# KiCad board m-blanc.kicad_pcb (continued)
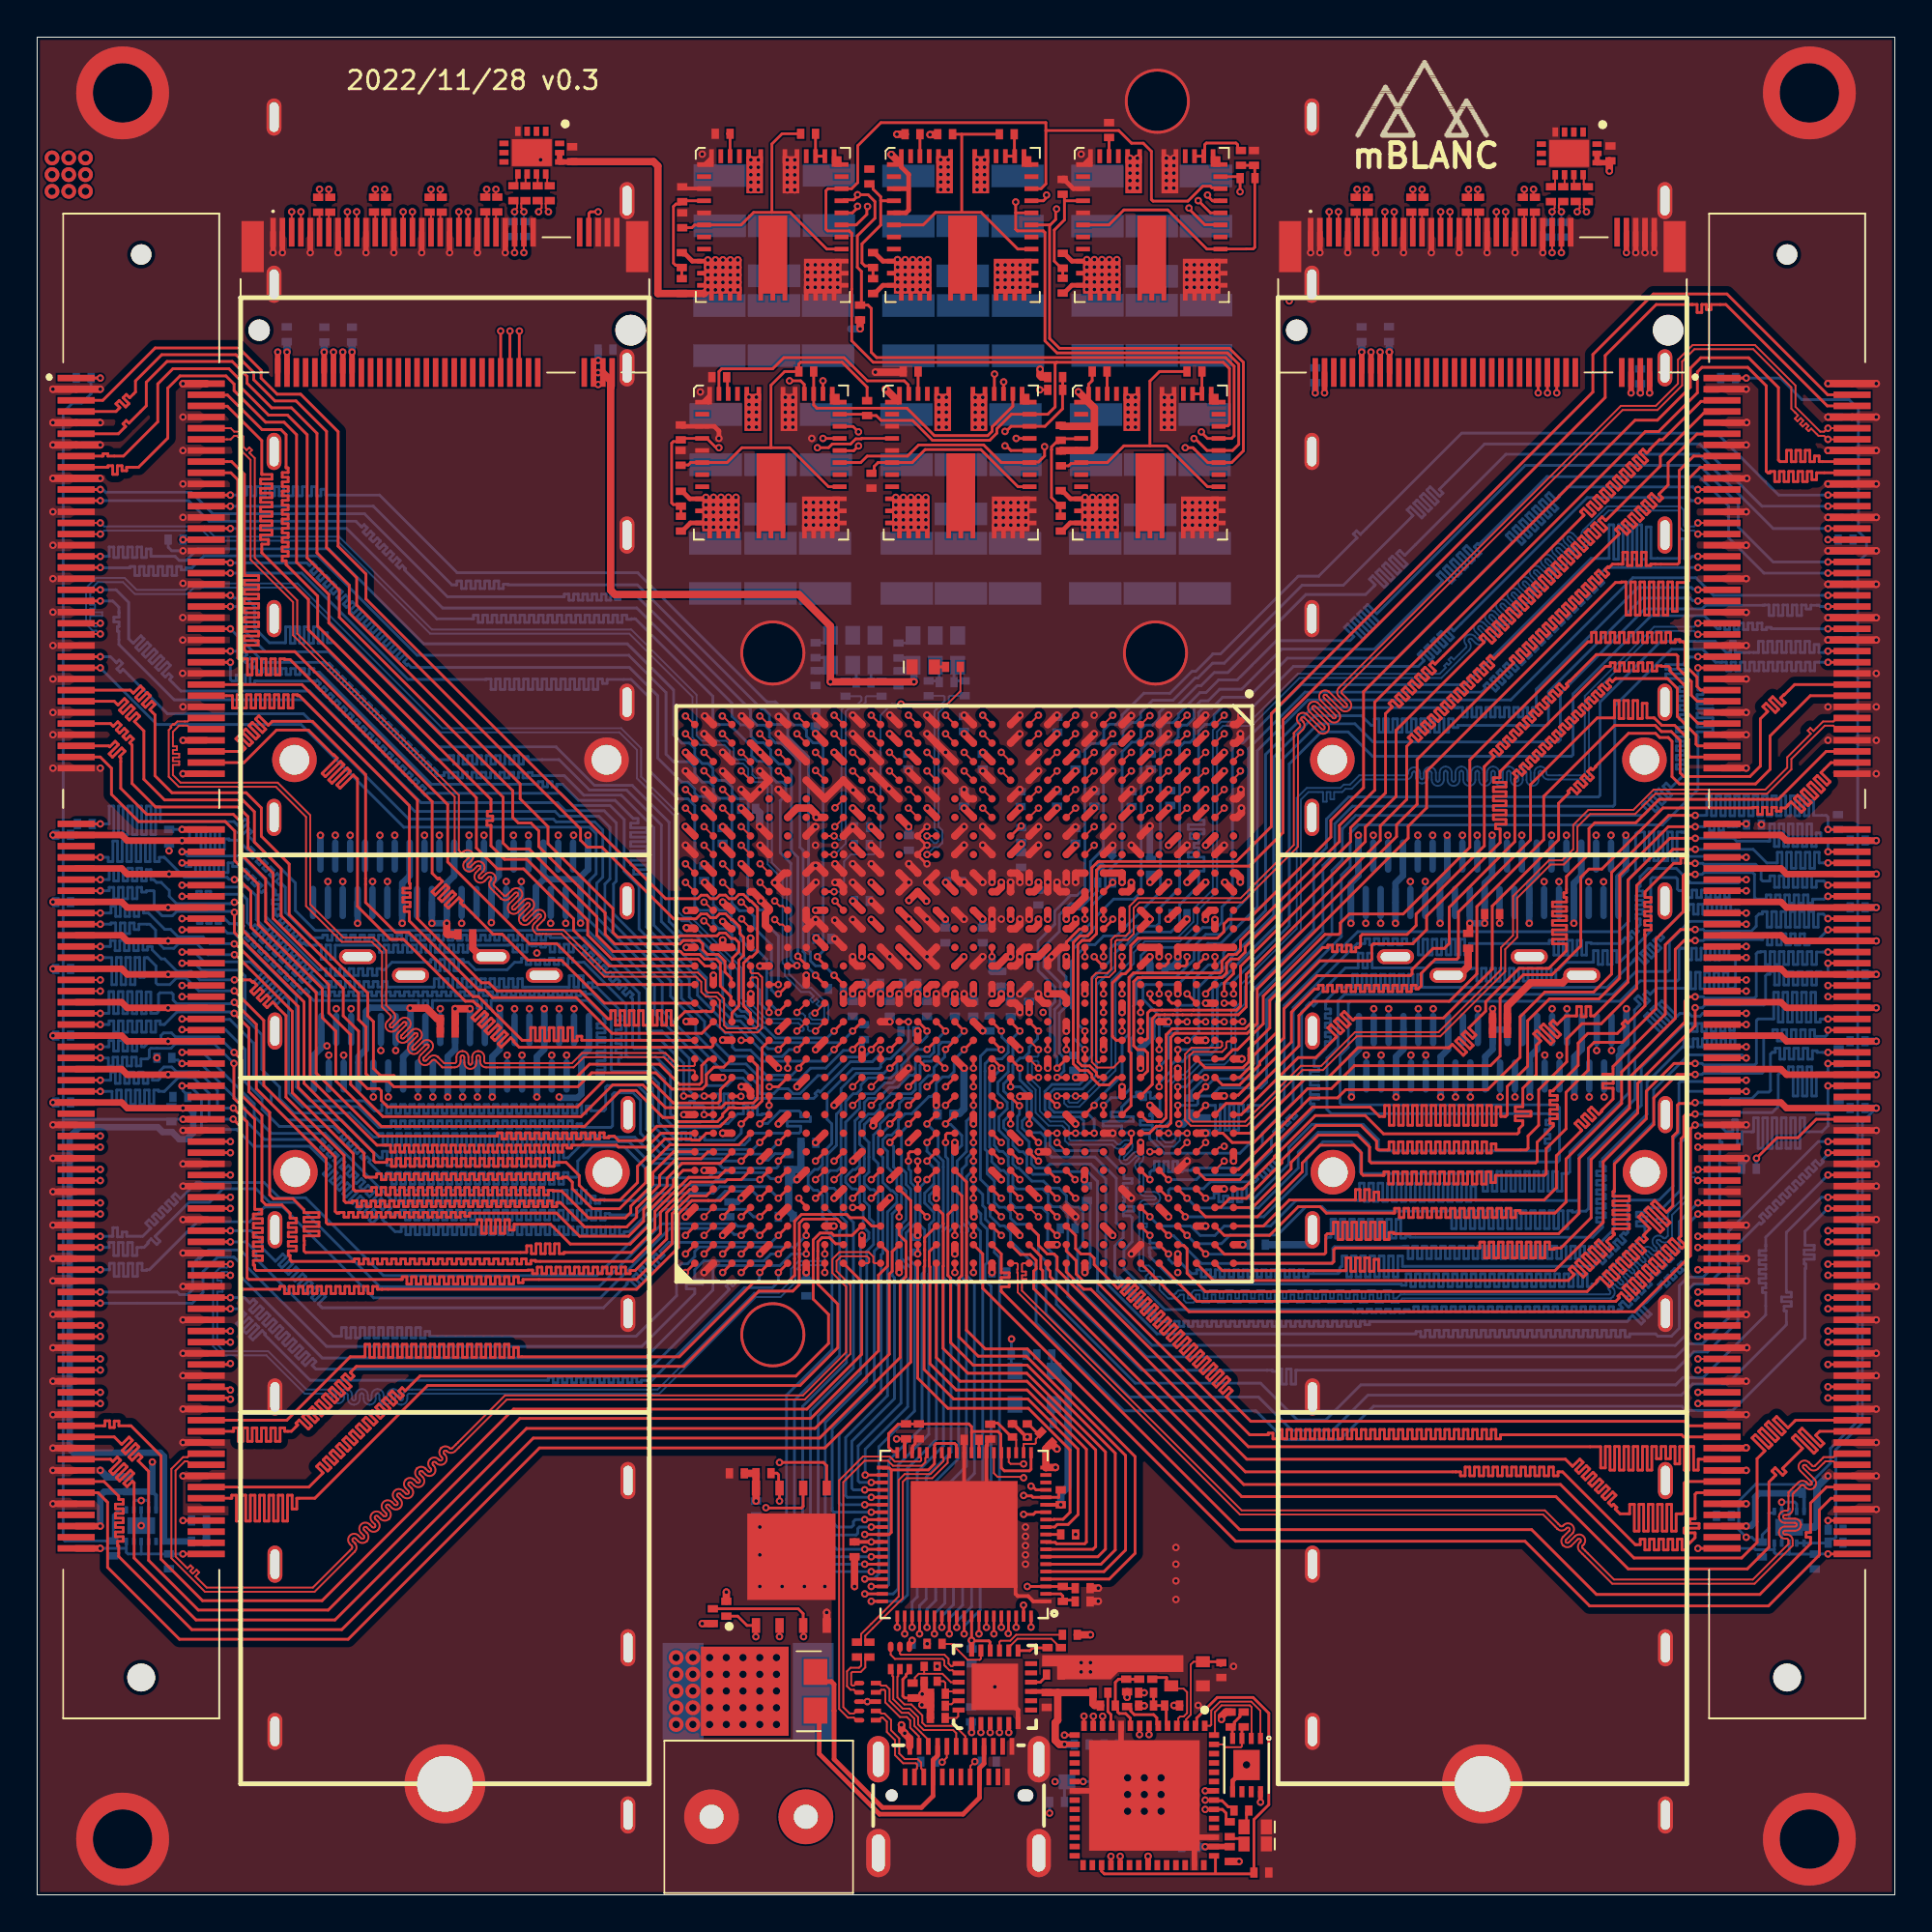
[diagram p0: board, top side]
## Routing (per net, layer and track width the routed paths; a pad name or vN(x,y) marks a point on that pad's centre or on a via; arc(x,y) is an arc through that point) (continued)
  Top Layer w0.15: v1(37.88,42.98) 37.88,42.99 37.41,42.99 U1.AH21 ; v1(7.8,55.55) DIMM1.80
  Bottom Layer w0.15: v1(7.8,55.55) 7.81,55.55 8.01,55.35 8.28,55.35 8.28,55.55 8.53,55.55 8.53,55.03 8.78,55.03 8.78,55.55 9.03,55.55 9.03,55.03 9.28,55.03 9.28,55.55 9.53,55.55 9.53,55.03 9.78,55.03 9.78,55.55 10.03,55.55 10.03,55.03 10.28,55.03 10.28,55.55 10.53,55.55 10.53,55.35 10.89,55.35 11.12,55.12 11.23,55.22 11.4,55.04 11.19,54.83 11.37,54.65 11.58,54.87 11.76,54.69 11.54,54.48 11.72,54.3 11.93,54.51 12.11,54.34 11.9,54.12 12.08,53.95 12.18,54.06 12.3,53.94 12.3,52.67 15.17,49.8 15.29,49.8 15.29,49.86 15.54,49.86 15.54,49.49 15.79,49.49 15.79,49.86 16.04,49.86 16.04,49.49 16.29,49.49 16.29,49.86 16.54,49.86 16.54,49.49 16.79,49.49 16.79,49.86 17.04,49.86 17.04,49.49 17.29,49.49 17.29,49.86 17.54,49.86 17.54,49.49 17.79,49.49 17.79,49.86 18.04,49.86 18.04,49.49 18.29,49.49 18.29,49.86 18.54,49.86 18.54,49.8 18.7,49.8 19.1,50.2 21.19,50.2 21.19,50.35 21.44,50.35 21.44,49.74 21.69,49.74 21.69,50.35 21.94,50.35 21.94,49.74 22.19,49.74 22.19,50.35 22.44,50.35 22.44,49.74 22.69,49.74 22.69,50.35 22.94,50.35 22.94,50.2 23.2,50.2 23.6,49.8 25.3,49.8 25.7,50.2 26.08,50.2 26.08,50.42 26.33,50.42 26.33,50.08 26.58,50.08 26.58,50.33 26.83,50.33 26.83,50.08 27.08,50.08 27.08,50.34 27.33,50.34 27.33,50.08 27.58,50.08 27.58,50.42 27.83,50.42 27.83,50.08 28.08,50.08 28.08,50.42 28.33,50.42 28.33,50.08 28.58,50.08 28.58,50.42 28.83,50.42 28.83,50.2 29.44,50.2 31.7,47.94 31.7,45.19 31.79,45.1 33.3,45.1 34.09,44.31 34.09,42.04 34.53,41.6 35.7,41.6 35.73,41.62 36.27,41.62 36.36,41.71 36.36,42.9 36.45,42.98 36.46,42.98 36.46,43.12 36.71,43.12 36.71,42.38 36.96,42.38 36.96,43.12 37.21,43.12 37.21,42.38 37.46,42.38 37.46,42.98 v1(37.88,42.98)
DRAM1_A15: length 63.9
  Top Layer w0.15: v1(7.8,56.15) DIMM1.78 ; v1(35.9,42) U1.AJ22
  Bottom Layer w0.15: v1(35.9,42) 35.9,42.41 35.81,42.5 35.38,42.5 35.38,42.72 35.13,42.72 35.13,42.5 34.49,42.5 34.4,42.59 34.4,44.6 34.34,44.66 34.27,44.59 34.09,44.76 34.22,44.89 34.04,45.07 33.91,44.94 33.74,45.12 33.83,45.21 33.66,45.39 33.63,45.37 33.44,45.56 32.14,45.56 32.05,45.65 32.05,48.22 31.95,48.32 32.09,48.46 31.91,48.64 31.68,48.41 31.51,48.59 31.73,48.81 31.56,48.99 31.33,48.76 31.15,48.94 31.38,49.17 31.2,49.34 30.98,49.12 30.8,49.29 31.03,49.52 30.85,49.7 30.62,49.47 30.45,49.65 30.67,49.87 30.5,50.05 30.27,49.82 30.09,50 30.32,50.23 30.14,50.4 29.92,50.18 29.74,50.35 29.97,50.58 29.79,50.76 29.56,50.53 29.39,50.71 29.61,50.93 29.44,51.11 29.3,50.97 29.15,51.12 28.86,51.12 28.86,50.75 28.61,50.75 28.61,51.17 28.36,51.17 28.36,50.75 28.11,50.75 28.11,51.17 27.86,51.17 27.86,50.75 27.61,50.75 27.61,51.13 27.36,51.13 27.36,51.02 27.11,51.02 27.11,51.13 26.86,51.13 26.86,51.08 26.61,51.08 26.61,51.13 26.36,51.13 26.36,50.75 26.11,50.75 26.11,51.13 25.86,51.13 25.86,50.75 25.61,50.75 25.61,51.13 25.36,51.13 25.36,51.12 23.18,51.12 23.18,50.74 22.93,50.74 22.93,51.13 22.68,51.13 22.68,50.74 22.43,50.74 22.43,51.13 22.18,51.13 22.18,50.74 21.93,50.74 21.93,51.13 21.68,51.13 21.68,50.74 21.43,50.74 21.43,51.13 21.18,51.13 21.18,50.74 20.93,50.74 20.93,51.13 20.68,51.13 20.68,50.74 20.43,50.74 20.43,51.13 20.18,51.13 20.18,50.74 19.93,50.74 19.93,51.13 19.68,51.13 19.68,50.74 19.43,50.74 19.43,51.13 19.18,51.13 19.18,50.74 18.93,50.74 18.93,51.13 18.68,51.13 18.68,50.74 18.43,50.74 18.43,51.13 18.18,51.13 18.18,51.12 16.04,51.12 16.04,50.36 15.79,50.36 15.79,51.13 15.54,51.13 15.54,50.36 15.29,50.36 15.29,51.13 15.04,51.13 15.04,51.12 14.49,51.12 14.34,51.26 14.26,51.18 14.08,51.35 14.27,51.54 14.1,51.72 13.91,51.53 13.73,51.71 13.92,51.9 13.74,52.07 13.55,51.88 13.38,52.06 13.57,52.25 13.39,52.43 13.2,52.24 13.02,52.42 13.21,52.6 13.03,52.77 12.93,52.68 12.83,52.78 12.83,53.07 13.04,53.07 13.04,53.32 12.67,53.32 12.67,53.57 13.04,53.57 13.04,53.82 12.83,53.82 12.83,54.08 10.99,55.93 8.09,55.93 7.87,56.15 v1(7.8,56.15)
DRAM1_BA0: length 64.6
  Top Layer w0.15: U1.AH25 37.05,39 36.67,38.62 35.08,38.62 33.25,36.8 33.25,35.85 31.99,34.58 28.35,34.58 28.35,34.52 28.1,34.52 28.1,35.04 27.85,35.04 27.85,34.52 27.6,34.52 27.6,35.04 27.35,35.04 27.35,34.52 27.1,34.52 27.1,35.04 26.85,35.04 26.85,34.52 26.6,34.52 26.6,34.94 26.35,34.94 26.35,34.58 14.45,34.58 14.36,34.67 14.36,34.97 14.38,34.97 14.38,35.22 14.36,35.22 14.36,35.47 15.17,35.47 15.17,35.72 14.36,35.72 14.36,35.97 15.17,35.97 15.17,36.22 14.36,36.22 14.36,36.47 15.17,36.47 15.17,36.72 14.36,36.72 14.36,36.89 13.77,37.48 12.71,37.48 12.52,37.68 12.52,42.12 11.4,43.23 11.4,46.66 v1(10.61,47.45) ; DIMM1.109 v1(3.4,46.85)
  Bottom Layer w0.15: v1(3.4,46.85) 3.87,46.85 3.87,47.04 4.12,47.04 4.12,46.44 4.37,46.44 4.37,47.04 4.62,47.04 4.62,46.44 4.87,46.44 4.87,47.04 5.12,47.04 5.12,46.44 5.37,46.44 5.37,47.04 5.62,47.04 5.62,46.44 5.87,46.44 5.87,47.04 6.12,47.04 6.12,46.44 6.37,46.44 6.37,47.04 6.62,47.04 6.62,46.85 6.85,46.85 7.53,47.53 10.39,47.53 10.42,47.5 10.56,47.5 v1(10.61,47.45)
DRAM1_BA1: length 69.1
  Top Layer w0.15: v1(7.8,47.15) DIMM1.108 ; v1(39.9,39.5) U1.AE24
  Bottom Layer w0.15: v1(7.8,47.15) 7.83,47.12 10.38,47.12 11.66,45.84 11.66,44.08 12.6,43.14 12.6,42.6 13.49,41.71 16.39,41.71 18.43,39.67 18.58,39.67 18.58,40.02 18.83,40.02 18.83,39.27 19.08,39.27 19.08,40.02 19.33,40.02 19.33,39.27 19.58,39.27 19.58,40.02 19.83,40.02 19.83,39.27 20.08,39.27 20.08,40.02 20.33,40.02 20.33,39.27 20.58,39.27 20.58,40.02 20.83,40.02 20.83,39.27 21.08,39.27 21.08,40.02 21.33,40.02 21.33,39.27 21.58,39.27 21.58,40.02 21.83,40.02 21.83,39.27 22.08,39.27 22.08,40.02 22.33,40.02 22.33,39.27 22.58,39.27 22.58,40.02 22.83,40.02 22.83,39.27 23.08,39.27 23.08,40.02 23.33,40.02 23.33,39.27 23.58,39.27 23.58,40.02 23.83,40.02 23.83,39.27 24.08,39.27 24.08,40.02 24.33,40.02 24.33,39.27 24.58,39.27 24.58,40.02 24.83,40.02 24.83,39.27 25.08,39.27 25.08,40.02 25.33,40.02 25.33,39.27 25.58,39.27 25.58,40.02 25.83,40.02 25.83,39.27 26.08,39.27 26.08,40.02 26.33,40.02 26.33,39.27 26.58,39.27 26.58,40.02 26.83,40.02 26.83,39.27 27.08,39.27 27.08,40.02 27.33,40.02 27.33,39.27 27.58,39.27 27.58,40.02 27.83,40.02 27.83,39.27 28.08,39.27 28.08,40.02 28.33,40.02 28.33,39.67 28.58,39.67 28.58,39.68 29.44,40.54 31.86,40.54 33.02,39.38 36.66,39.38 36.91,39.12 39.8,39.12 39.89,39.21 39.89,39.49 v1(39.9,39.5)
DRAM1_BA2: length 65.1
  Top Layer w0.15: v1(10.62,54.65) 10.64,54.62 10.89,54.62 11.5,54.02 11.5,52.09 15.02,48.57 15.02,44.23 18.42,40.84 24.77,40.84 24.77,41.02 25.02,41.02 25.02,40.69 25.27,40.69 25.27,41.02 25.52,41.02 25.52,40.69 25.77,40.69 25.77,41.02 26.02,41.02 26.02,40.69 26.27,40.69 26.27,41.02 26.52,41.02 26.52,40.69 26.77,40.69 26.77,41.02 27.02,41.02 27.02,40.69 27.27,40.69 27.27,41.02 27.52,41.02 27.52,40.69 27.77,40.69 27.77,41.02 28.02,41.02 28.02,40.69 28.27,40.69 28.27,41.02 28.52,41.02 28.52,40.69 28.77,40.69 28.77,41.02 29.02,41.02 29.02,40.69 29.27,40.69 29.27,41.02 29.52,41.02 29.52,40.69 29.77,40.69 29.77,41.02 30.02,41.02 30.02,40.69 30.27,40.69 30.27,41.02 30.52,41.02 30.52,40.75 30.77,40.75 30.77,40.84 31.06,40.84 31.3,40.6 32.59,40.6 33.37,41.38 36.78,41.38 U1.AH22 ; DIMM1.79 v1(3.4,55.85)
  Bottom Layer w0.15: v1(3.4,55.85) 3.83,55.85 3.83,55.62 4.08,55.62 4.08,56.72 4.33,56.72 4.33,55.62 4.58,55.62 4.58,56.72 4.83,56.72 4.83,55.62 5.08,55.62 5.08,56.72 5.33,56.72 5.33,55.62 5.58,55.62 5.58,56.72 5.83,56.72 5.83,55.62 6.08,55.62 6.08,56.72 6.33,56.72 6.33,55.62 6.58,55.62 6.58,55.85 6.85,55.85 7.92,54.78 10.22,54.78 10.33,54.67 10.6,54.67 v1(10.62,54.65)
DRAM1_CAS#: length 64.2
  Top Layer w0.15: v1(10.59,44.76) 10.59,42.88 11.71,41.76 11.71,36.9 12.09,36.9 12.09,36.65 11.64,36.65 11.64,36.4 12.13,36.4 12.13,36.15 11.64,36.15 11.64,35.9 12.13,35.9 12.13,35.65 11.64,35.65 11.64,35.4 12.13,35.4 12.13,35.15 11.64,35.15 11.64,34.9 12.13,34.9 12.13,34.65 11.64,34.65 11.64,34.4 12.13,34.4 12.13,34.15 11.64,34.15 11.64,33.9 11.71,33.9 11.71,33.7 11.8,33.61 26.42,33.61 26.42,33.63 26.67,33.63 26.67,33.44 26.92,33.44 26.92,33.79 27.17,33.79 27.17,33.44 27.42,33.44 27.42,33.79 27.67,33.79 27.67,33.44 27.92,33.44 27.92,33.79 28.17,33.79 28.17,33.44 28.42,33.44 28.42,33.79 28.67,33.79 28.67,33.44 28.92,33.44 28.92,33.79 29.17,33.79 29.17,33.44 29.42,33.44 29.42,33.79 29.67,33.79 29.67,33.44 29.92,33.44 29.92,33.79 30.17,33.79 30.17,33.44 30.42,33.44 30.42,33.79 30.67,33.79 30.67,33.44 30.92,33.44 30.92,33.79 31.17,33.79 31.17,33.44 31.42,33.44 31.42,33.79 31.67,33.79 31.67,33.44 31.92,33.44 31.92,33.61 32.19,33.61 33.89,35.31 33.89,36.72 35.13,37.97 35.37,37.97 U1.AK26 ; DIMM1.115 v1(3.4,45.05)
  Bottom Layer w0.15: v1(3.4,45.05) 3.83,45.05 3.83,44.62 4.08,44.62 4.08,45.09 4.33,45.09 4.33,44.62 4.58,44.62 4.58,45.09 4.83,45.09 4.83,44.62 5.08,44.62 5.08,45.09 5.33,45.09 5.33,44.62 5.58,44.62 5.58,45 5.95,45 6.03,45.09 6.03,45.48 6.12,45.57 6.44,45.57 6.44,45.57 7.21,45.57 7.43,45.8 9.55,45.8 v1(10.59,44.76)
DRAM1_CK0_N: length 67.9
  Top Layer w0.1: v1(44.9,42.5) U1.Y21 ; DIMM1.103 v1(3.4,48.65)
  InLayer2 (Signal) w0.1: v1(44.9,42.5) 44.9,42.83 44.84,42.89 44.47,42.89 44.25,43.1 44.25,43.9 44.05,43.9 44.05,44.1 44.25,44.1 44.25,44.3 43.9,44.3 43.9,44.5 44.14,44.5 44.14,44.7 43.93,44.91 38.96,44.91 arc(38.73,45.01) 38.64,45.24 38.64,45.33 arc(38.61,45.4) 38.54,45.43 arc(38.47,45.4) 38.44,45.33 38.44,44.57 arc(38.34,44.34) 38.11,44.24 arc(37.88,44.34) 37.79,44.57 37.79,45.33 arc(37.76,45.4) 37.69,45.43 arc(37.62,45.4) 37.59,45.33 37.59,44.68 arc(37.49,44.45) 37.26,44.35 arc(37.03,44.45) 36.94,44.68 36.94,45.33 arc(36.91,45.4) 36.84,45.43 arc(36.77,45.4) 36.74,45.33 36.74,44.59 arc(36.64,44.36) 36.41,44.27 arc(36.18,44.36) 36.09,44.59 36.09,45.33 arc(36.06,45.4) 35.99,45.43 arc(35.92,45.4) 35.89,45.33 35.89,44.57 arc(35.79,44.34) 35.56,44.24 arc(35.33,44.34) 35.24,44.57 35.24,45.33 arc(35.21,45.4) 35.14,45.43 arc(35.07,45.4) 35.04,45.33 35.04,44.57 arc(34.94,44.34) 34.71,44.24 arc(34.48,44.34) 34.39,44.57 34.39,45.33 arc(34.36,45.4) 34.29,45.43 arc(34.22,45.4) 34.19,45.33 34.19,45.24 arc(34.09,45.01) 33.86,44.91 33.56,44.91 33.5,44.85 33.5,40.75 33.31,40.56 31.51,40.56 31.3,40.77 29.4,40.77 28.77,40.15 17.47,40.15 13.74,43.88 10.11,43.88 9.45,44.53 9.45,48.4 8.41,49.45 7.76,49.45 7.15,48.84 3.61,48.84 3.42,48.65 v1(3.4,48.65)
DRAM1_CK0_P: length 67
  Top Layer w0.1: DIMM1.101 v1(3.4,49.25) ; v1(44.9,43.5) U1.Y20
  InLayer2 (Signal) w0.1: v1(3.4,49.25) 3.42,49.25 3.61,49.06 7.06,49.06 7.67,49.67 8.5,49.67 9.68,48.5 9.68,44.62 10.2,44.1 13.83,44.1 17.56,40.37 28.68,40.37 29.31,41 31.39,41 31.6,40.78 33.21,40.78 33.27,40.84 33.27,44.95 33.46,45.14 33.86,45.14 arc(33.93,45.17) 33.96,45.24 33.96,45.33 arc(34.06,45.56) 34.29,45.65 arc(34.52,45.56) 34.61,45.33 34.61,44.57 arc(34.64,44.5) 34.71,44.47 arc(34.78,44.5) 34.81,44.57 34.81,45.33 arc(34.91,45.56) 35.14,45.65 arc(35.37,45.56) 35.46,45.33 35.46,44.57 arc(35.49,44.5) 35.56,44.47 arc(35.63,44.5) 35.66,44.57 35.66,45.33 arc(35.76,45.56) 35.99,45.65 arc(36.22,45.56) 36.31,45.33 36.31,44.59 arc(36.34,44.52) 36.41,44.49 arc(36.48,44.52) 36.51,44.59 36.51,45.33 arc(36.61,45.56) 36.84,45.65 arc(37.07,45.56) 37.16,45.33 37.16,44.68 arc(37.19,44.6) 37.26,44.58 arc(37.33,44.6) 37.36,44.68 37.36,45.33 arc(37.46,45.55) 37.69,45.65 arc(37.92,45.55) 38.01,45.33 38.01,44.57 arc(38.04,44.5) 38.11,44.47 arc(38.18,44.5) 38.21,44.57 38.21,45.33 arc(38.31,45.56) 38.54,45.65 arc(38.77,45.56) 38.86,45.33 38.86,45.24 arc(38.89,45.17) 38.96,45.14 44.02,45.14 44.48,44.68 44.48,43.2 44.56,43.11 44.84,43.11 44.9,43.17 v1(44.9,43.5)
DRAM1_CK1_N: length 64.6
  Top Layer w0.1: v1(43.9,42.5) U1.AA21 ; v1(7.8,48.35) DIMM1.104
  InLayer2 (Signal) w0.1: v1(7.8,48.35) 7.82,48.35 8.01,48.54 8.38,48.54 8.86,48.06 8.86,43.93 9.17,43.61 9.31,43.47 9.31,43.47 9.71,43.08 13.57,43.08 17.86,38.79 18.27,38.79 arc(18.5,38.88) 18.6,39.11 18.6,39.25 arc(18.63,39.32) 18.7,39.35 arc(18.77,39.32) 18.8,39.25 18.8,38.66 arc(18.89,38.43) 19.12,38.34 arc(19.35,38.43) 19.45,38.66 19.45,39.25 arc(19.48,39.32) 19.55,39.35 arc(19.62,39.32) 19.65,39.25 19.65,38.66 arc(19.74,38.43) 19.97,38.34 arc(20.2,38.43) 20.3,38.66 20.3,39.25 arc(20.33,39.32) 20.4,39.35 arc(20.47,39.32) 20.5,39.25 20.5,38.66 arc(20.59,38.43) 20.82,38.34 arc(21.05,38.43) 21.15,38.66 21.15,39.25 arc(21.18,39.32) 21.25,39.35 arc(21.32,39.32) 21.35,39.25 21.35,38.66 arc(21.44,38.43) 21.67,38.34 arc(21.9,38.43) 22,38.66 22,39.25 arc(22.03,39.32) 22.1,39.35 arc(22.17,39.32) 22.2,39.25 22.2,38.66 arc(22.29,38.43) 22.52,38.34 arc(22.75,38.43) 22.85,38.66 22.85,39.25 arc(22.88,39.32) 22.95,39.35 arc(23.02,39.32) 23.05,39.25 23.05,38.66 arc(23.14,38.43) 23.37,38.34 arc(23.6,38.43) 23.7,38.66 23.7,39.25 arc(23.73,39.32) 23.8,39.35 arc(23.87,39.32) 23.9,39.25 23.9,38.66 arc(23.99,38.43) 24.22,38.34 arc(24.45,38.43) 24.55,38.66 24.55,39.25 arc(24.58,39.32) 24.65,39.35 arc(24.72,39.32) 24.75,39.25 24.75,38.66 arc(24.84,38.43) 25.07,38.34 arc(25.3,38.43) 25.4,38.66 25.4,39.25 arc(25.43,39.32) 25.5,39.35 arc(25.57,39.32) 25.6,39.25 25.6,38.66 arc(25.69,38.43) 25.92,38.34 arc(26.15,38.43) 26.25,38.66 26.25,39.25 arc(26.28,39.32) 26.35,39.35 arc(26.42,39.32) 26.45,39.25 26.45,38.66 arc(26.54,38.43) 26.77,38.34 arc(27,38.43) 27.1,38.66 27.1,38.69 arc(27.13,38.76) 27.2,38.79 28.34,38.79 29.86,40.31 31.16,40.31 31.35,40.12 38.18,40.12 38.38,40.32 38.38,40.78 38.46,40.85 42.02,40.85 42.21,41.04 42.21,42.83 42.27,42.89 43.84,42.89 43.9,42.83 v1(43.9,42.5)
DRAM1_CK1_P: length 65.1
  Top Layer w0.1: v1(43.9,43.5) U1.AA20 ; v1(7.8,48.95) DIMM1.102
  InLayer2 (Signal) w0.1: v1(43.9,43.5) 43.9,43.17 43.84,43.11 43.45,43.11 43.45,43.19 43.25,43.19 43.25,43.11 43.05,43.11 43.05,43.33 42.85,43.33 42.85,43.11 42.17,43.11 41.98,42.92 41.98,41.13 41.92,41.07 38.36,41.07 38.16,40.87 38.16,40.41 38.09,40.35 31.44,40.35 31.25,40.54 29.77,40.54 28.25,39.01 27.2,39.01 arc(26.97,38.92) 26.87,38.69 26.87,38.66 arc(26.85,38.59) 26.77,38.56 arc(26.7,38.59) 26.67,38.66 26.67,39.25 arc(26.58,39.48) 26.35,39.58 arc(26.12,39.48) 26.02,39.25 26.02,38.66 arc(26,38.59) 25.92,38.56 arc(25.85,38.59) 25.82,38.66 25.82,39.25 arc(25.73,39.48) 25.5,39.58 arc(25.27,39.48) 25.17,39.25 25.17,38.66 arc(25.15,38.59) 25.07,38.56 arc(25,38.59) 24.97,38.66 24.97,39.25 arc(24.88,39.48) 24.65,39.58 arc(24.42,39.48) 24.32,39.25 24.32,38.66 arc(24.3,38.59) 24.22,38.56 arc(24.15,38.59) 24.12,38.66 24.12,39.25 arc(24.03,39.48) 23.8,39.58 arc(23.57,39.48) 23.47,39.25 23.47,38.66 arc(23.45,38.59) 23.37,38.56 arc(23.3,38.59) 23.27,38.66 23.27,39.25 arc(23.18,39.48) 22.95,39.58 arc(22.72,39.48) 22.62,39.25 22.62,38.66 arc(22.6,38.59) 22.52,38.56 arc(22.45,38.59) 22.42,38.66 22.42,39.25 arc(22.33,39.48) 22.1,39.58 arc(21.87,39.48) 21.77,39.25 21.77,38.66 arc(21.75,38.59) 21.67,38.56 arc(21.6,38.59) 21.57,38.66 21.57,39.25 arc(21.48,39.48) 21.25,39.58 arc(21.02,39.48) 20.92,39.25 20.92,38.66 arc(20.9,38.59) 20.82,38.56 arc(20.75,38.59) 20.72,38.66 20.72,39.25 arc(20.63,39.48) 20.4,39.58 arc(20.17,39.48) 20.07,39.25 20.07,38.66 arc(20.05,38.59) 19.97,38.56 arc(19.9,38.59) 19.87,38.66 19.87,39.25 arc(19.78,39.48) 19.55,39.58 arc(19.32,39.48) 19.22,39.25 19.22,38.66 arc(19.2,38.59) 19.12,38.56 arc(19.05,38.59) 19.02,38.66 19.02,39.25 arc(18.93,39.48) 18.7,39.58 arc(18.47,39.48) 18.37,39.25 18.37,39.11 arc(18.35,39.04) 18.27,39.01 17.95,39.01 13.66,43.3 9.8,43.3 9.08,44.02 9.08,48.15 8.47,48.76 8.01,48.76 7.82,48.95 v1(7.8,48.95)
DRAM1_CKE0: length 63.2
  Top Layer w0.15: v1(35.91,43) U1.AJ21 ; DIMM1.73 v1(3.4,57.65)
  Bottom Layer w0.15: v1(35.91,43) 35.4,43 35.1,43.3 35.1,45.03 33.63,46.5 32.91,46.5 32.83,46.59 32.83,48.74 29.65,51.92 14.96,51.92 13.9,52.98 13.9,54.47 11.78,56.59 11.36,57.01 11.57,57.23 11.39,57.4 10.99,57.01 10.82,57.18 11.37,57.73 11.19,57.91 10.83,57.54 10.6,57.77 6.63,57.77 6.63,58.57 6.38,58.57 6.38,57.07 6.13,57.07 6.13,58.61 5.88,58.61 5.88,57.07 5.63,57.07 5.63,58.61 5.38,58.61 5.38,57.07 5.13,57.07 5.13,58.61 4.88,58.61 4.88,57.07 4.63,57.07 4.63,58.61 4.38,58.61 4.38,57.07 4.13,57.07 4.13,58.61 3.88,58.61 3.88,57.65 v1(3.4,57.65) 2.97,57.65 R29.1
DRAM1_CKE1: length 62.4
  Top Layer w0.15: v1(34.8,43) U1.AK21
  Top Layer w0.35: v1(7.8,57.35) DIMM1.74
  Bottom Layer w0.15: v1(34.8,43) 34.8,44.77 33.57,46 32.49,46 32.4,46.09 32.4,48.55 29.43,51.52 27.62,51.52 27.62,51.63 27.37,51.63 27.37,51.38 27.12,51.38 27.12,51.67 26.87,51.67 26.87,51.38 26.62,51.38 26.62,51.67 26.37,51.67 26.37,51.38 26.12,51.38 26.12,51.67 25.87,51.67 25.87,51.38 25.62,51.38 25.62,51.67 25.37,51.67 25.37,51.38 25.12,51.38 25.12,51.67 24.88,51.67 24.88,51.38 24.62,51.38 24.62,51.67 24.38,51.67 24.38,51.38 24.12,51.38 24.12,51.67 23.88,51.67 23.88,51.38 23.62,51.38 23.62,51.67 23.38,51.67 23.38,51.38 23.12,51.38 23.12,51.67 22.88,51.67 22.88,51.38 22.62,51.38 22.62,51.67 22.38,51.67 22.38,51.38 22.12,51.38 22.12,51.67 21.88,51.67 21.88,51.38 21.62,51.38 21.62,51.67 21.38,51.67 21.38,51.38 21.12,51.38 21.12,51.67 20.88,51.67 20.88,51.38 20.62,51.38 20.62,51.67 20.38,51.67 20.38,51.38 20.12,51.38 20.12,51.67 19.88,51.67 19.88,51.38 19.63,51.38 19.63,51.67 19.38,51.67 19.38,51.38 19.13,51.38 19.13,51.67 18.88,51.67 18.88,51.38 18.63,51.38 18.63,51.67 18.38,51.67 18.38,51.38 18.13,51.38 18.13,51.67 17.88,51.67 17.88,51.38 17.63,51.38 17.63,51.67 17.38,51.67 17.38,51.38 17.13,51.38 17.13,51.67 16.88,51.67 16.88,51.38 16.63,51.38 16.63,51.67 16.38,51.67 16.38,51.38 16.13,51.38 16.13,51.67 15.88,51.67 15.88,51.38 15.63,51.38 15.63,51.67 15.38,51.67 15.38,51.52 14.73,51.52 13.36,52.89 13.36,54.23 13.12,54.48 13.03,54.38 12.85,54.56 13.1,54.81 12.92,54.98 12.67,54.74 12.5,54.91 12.74,55.16 12.57,55.34 12.32,55.09 12.14,55.27 12.39,55.51 12.21,55.69 11.97,55.44 11.79,55.62 12.03,55.87 11.86,56.04 11.61,55.8 11.43,55.98 11.68,56.22 11.5,56.4 11.35,56.24 10.82,56.77 10.32,56.77 10.32,56.84 10.07,56.84 10.07,56.27 9.82,56.27 9.82,57.25 9.57,57.25 9.57,56.27 9.32,56.27 9.32,57.25 9.07,57.25 9.07,56.27 8.82,56.27 8.82,57.25 8.57,57.25 8.57,56.77 8.29,56.77 8.2,56.86 8.2,57.24 8.12,57.32 7.83,57.32 v1(7.8,57.35) 7.8,57.35 7.11,57.35 R31.1
DRAM1_CS0#: length 68.1
  Top Layer w0.15: v1(7.8,45.35) DIMM1.114 ; v1(38.9,38.5) U1.AF25
  Bottom Layer w0.15: v1(7.8,45.35) 8.92,45.35 11.68,42.58 11.68,41.92 12.61,40.99 15.5,40.99 19.11,37.38 19.29,37.38 19.29,37.93 19.54,37.93 19.54,37.22 19.79,37.22 19.79,37.93 20.04,37.93 20.04,37.22 20.29,37.22 20.29,37.93 20.54,37.93 20.54,37.22 20.79,37.22 20.79,37.93 21.04,37.93 21.04,37.22 21.29,37.22 21.29,37.93 21.54,37.93 21.54,37.22 21.79,37.22 21.79,37.93 22.04,37.93 22.04,37.22 22.29,37.22 22.29,37.93 22.54,37.93 22.54,37.22 22.79,37.22 22.79,37.93 23.04,37.93 23.04,37.22 23.29,37.22 23.29,37.93 23.54,37.93 23.54,37.22 23.79,37.22 23.79,37.93 24.04,37.93 24.04,37.22 24.29,37.22 24.29,37.93 24.54,37.93 24.54,37.22 24.79,37.22 24.79,37.93 25.04,37.93 25.04,37.22 25.29,37.22 25.29,37.93 25.54,37.93 25.54,37.22 25.79,37.22 25.79,37.93 26.04,37.93 26.04,37.22 26.29,37.22 26.29,37.93 26.54,37.93 26.54,37.22 26.79,37.22 26.79,37.93 27.04,37.93 27.04,37.22 27.29,37.22 27.29,37.93 27.54,37.93 27.54,37.22 27.79,37.22 27.79,37.93 28.04,37.93 28.04,37.22 28.29,37.22 28.29,37.93 28.54,37.93 28.54,37.22 28.79,37.22 28.79,37.93 29.04,37.93 29.04,37.22 29.29,37.22 29.29,37.93 29.54,37.93 29.54,37.22 29.79,37.22 29.79,37.61 30.04,37.61 30.04,37.22 30.29,37.22 30.29,37.44 30.54,37.44 30.54,37.38 32.38,37.38 33.2,38.2 36.27,38.2 36.57,38.5 v1(38.9,38.5)
DRAM1_CS1#: length 65.2
  Top Layer w0.15: DIMM1.121 v1(3.4,43.25) ; v1(10.55,41.76) 10.9,41.41 10.9,32.69 10.99,32.6 13.06,32.6 13.06,32.75 13.31,32.75 13.31,32.37 13.56,32.37 13.56,32.75 13.81,32.75 13.81,32.37 14.06,32.37 14.06,32.75 14.31,32.75 14.31,32.37 14.56,32.37 14.56,32.75 14.81,32.75 14.81,32.37 15.06,32.37 15.06,32.75 15.31,32.75 15.31,32.37 15.56,32.37 15.56,32.75 15.81,32.75 15.81,32.37 16.06,32.37 16.06,32.75 16.31,32.75 16.31,32.37 16.56,32.37 16.56,32.75 16.81,32.75 16.81,32.37 17.06,32.37 17.06,32.75 17.31,32.75 17.31,32.37 17.56,32.37 17.56,32.75 17.81,32.75 17.81,32.37 18.06,32.37 18.06,32.75 18.31,32.75 18.31,32.6 18.56,32.6 18.56,32.6 32.27,32.6 34.52,34.85 34.52,36.66 35.24,37.37 36.78,37.38 U1.AH26
  Bottom Layer w0.15: v1(10.55,41.76) 9.34,41.76 9.25,41.85 9.25,43.15 8.41,43.99 7.59,43.99 6.85,43.25 6.53,43.25 6.53,43.32 6.28,43.32 6.28,42.55 6.03,42.55 6.03,43.32 5.78,43.32 5.78,42.55 5.53,42.55 5.53,43.32 5.28,43.32 5.28,42.55 5.03,42.55 5.03,43.32 4.78,43.32 4.78,42.55 4.53,42.55 4.53,43.32 4.28,43.32 4.28,42.55 4.03,42.55 4.03,43.25 v1(3.4,43.25)
DRAM1_DM0: length 59.6
  Top Layer w0.15: DIMM1.11 4.37,78.65 4.76,79.04 4.62,79.19 4.8,79.36 4.94,79.22 5.88,80.15 5.88,81.43 6.99,82.54 10.5,82.54 11.3,81.74 11.3,81.37 12.62,80.05 13.69,80.05 15.06,78.67 15.06,72.24 16.8,70.5 16.8,69 26,59.8 26,59 27.5,57.5 27.5,56.58 30.99,53.09 30.99,51.81 31.25,51.55 34.51,51.55 34.59,51.62 36.59,51.62 36.74,51.78 37.06,51.78 37.35,51.48 37.56,51.48 37.78,51.26 37.78,50.77 37.43,50.43 37.43,50.03 U1.AH14
DRAM1_DM1: length 62
  Top Layer w0.15: v1(40.9,50.02) 40.89,50.01 40.41,50.01 U1.AE14 ; v1(10.4,73.55) 10.22,73.55 DIMM1.28
  Bottom Layer w0.15: v1(40.9,50.02) 40.58,50.35 40.58,55.53 40,56.1 40,58.9 40.3,59.2 40.3,59.73 40.13,59.9 39.79,59.9 39.51,60.18 39.51,60.66 39.16,61.02 38.77,61.02 38.46,61.32 38.46,61.8 37.26,63 36.55,63 36.37,63.17 36.37,64.52 32.2,68.69 31.99,68.69 31.99,68.66 31.74,68.66 31.74,68.89 31.49,68.89 31.49,68.5 31.24,68.5 31.24,68.89 30.99,68.89 30.99,68.5 30.74,68.5 30.74,68.89 30.49,68.89 30.49,68.5 30.24,68.5 30.24,68.89 29.99,68.89 29.99,68.5 29.74,68.5 29.74,68.89 29.49,68.89 29.49,68.5 29.24,68.5 29.24,68.89 28.99,68.89 28.99,68.5 28.74,68.5 28.74,68.89 28.49,68.89 28.49,68.5 28.24,68.5 28.24,68.89 27.99,68.89 27.99,68.5 27.74,68.5 27.74,68.89 27.49,68.89 27.49,68.5 27.24,68.5 27.24,68.89 26.99,68.89 26.99,68.5 26.74,68.5 26.74,68.89 26.49,68.89 26.49,68.5 26.24,68.5 26.24,68.89 25.99,68.89 25.99,68.5 25.74,68.5 25.74,68.89 25.49,68.89 25.49,68.5 25.24,68.5 25.24,68.89 24.99,68.89 24.99,68.5 24.74,68.5 24.74,68.89 24.49,68.89 24.49,68.5 24.24,68.5 24.24,68.89 23.99,68.89 23.99,68.5 23.74,68.5 23.74,68.89 23.49,68.89 23.49,68.69 21.52,68.69 16.66,73.55 v1(10.4,73.55)
DRAM1_DM2: length 60.2
  Top Layer w0.15: v1(10.4,68.15) 10.22,68.15 DIMM1.46 ; v1(39.9,45.5) U1.AE18
  Bottom Layer w0.15: v1(10.4,68.15) 12.21,66.34 15.46,66.34 15.61,66.2 15.71,66.3 15.89,66.13 15.68,65.91 15.85,65.74 16.07,65.95 16.24,65.77 16.03,65.56 16.21,65.38 16.42,65.6 16.6,65.42 16.38,65.21 16.56,65.03 16.78,65.24 16.95,65.07 16.74,64.85 16.91,64.68 17.13,64.89 17.31,64.71 17.09,64.5 17.27,64.32 17.48,64.54 17.66,64.36 17.45,64.15 17.62,63.97 17.84,64.18 18.01,64.01 17.8,63.79 17.98,63.62 18.19,63.83 18.37,63.65 18.15,63.44 18.33,63.26 18.54,63.48 18.72,63.3 18.51,63.09 18.68,62.91 18.9,63.12 19.07,62.95 18.86,62.73 19.04,62.56 19.25,62.77 19.43,62.59 19.21,62.38 19.39,62.2 19.6,62.42 19.78,62.24 19.57,62.03 19.74,61.85 19.96,62.06 20.13,61.89 19.92,61.67 20.1,61.49 20.31,61.71 20.49,61.53 20.27,61.32 20.45,61.14 20.66,61.36 20.84,61.18 20.63,60.96 20.8,60.79 21.02,61 21.19,60.82 20.98,60.61 21.16,60.43 21.37,60.65 21.55,60.47 21.44,60.36 21.55,60.25 21.9,60.25 21.9,60.43 22.15,60.43 22.15,60.13 22.4,60.13 22.4,60.43 22.65,60.43 22.65,60.13 22.9,60.13 22.9,60.43 23.15,60.43 23.15,60.13 23.4,60.13 23.4,60.43 23.65,60.43 23.65,60.13 23.9,60.13 23.9,60.43 24.15,60.43 24.15,60.13 24.4,60.13 24.4,60.43 24.65,60.43 24.65,60.13 24.9,60.13 24.9,60.43 25.15,60.43 25.15,60.13 25.4,60.13 25.4,60.43 25.65,60.43 25.65,60.13 25.9,60.13 25.9,60.43 26.15,60.43 26.15,60.13 26.4,60.13 26.4,60.41 26.65,60.41 26.65,60.25 28.38,60.25 29.43,59.2 31.44,59.2 33.2,57.44 33.2,52.19 36.03,49.37 36.03,48.46 37.44,47.05 37.84,47.05 39.35,45.55 39.85,45.55 v1(39.9,45.5)
DRAM1_DM3: length 54.3
  Top Layer w0.15: U1.AH20 37.4,43.97 36.78,43.34 36.78,42.74 36.66,42.62 34.24,42.62 32.92,43.95 30.62,43.95 29.09,42.42 18.87,42.42 18.53,42.76 18.53,43.28 18.4,43.4 17.77,43.4 17.3,43.87 17.3,46.49 16.48,47.32 16.48,48.78 12.7,52.56 12.7,55 11.35,56.35 11.35,58.04 10.83,58.56 6.37,58.56 5.11,59.82 5.11,61.89 4.98,62.02 5.18,62.22 5.01,62.4 4.79,62.18 4.61,62.36 4.87,62.62 4.69,62.79 4.44,62.54 4.26,62.71 4.52,62.97 4.34,63.15 4.1,62.9 3.95,63.05 DIMM1.63
DRAM1_DM4: length 46.3
  Top Layer w0.15: DIMM1.136 v1(10.4,38.75) ; v1(34.9,35.5) U1.AK28
  InLayer2 (Signal) w0.15: v1(34.9,35.5) 34.59,35.5 33.96,36.13 22.52,36.13 22.52,36.3 22.27,36.3 22.27,35.99 22.02,35.99 22.02,36.3 21.77,36.3 21.77,35.99 21.52,35.99 21.52,36.3 21.27,36.3 21.27,35.99 21.02,35.99 21.02,36.3 20.77,36.3 20.77,35.99 20.52,35.99 20.52,36.3 20.27,36.3 20.27,35.99 20.02,35.99 20.02,36.3 19.77,36.3 19.77,35.99 19.52,35.99 19.52,36.3 19.27,36.3 19.27,35.99 19.02,35.99 19.02,36.3 18.77,36.3 18.77,35.99 18.52,35.99 18.52,36.3 18.27,36.3 18.27,35.99 18.02,35.99 18.02,36.3 17.77,36.3 17.77,36.13 17.34,36.13 17.34,36.97 17.09,36.97 17.09,36.12 16.84,36.12 16.84,37 16.59,37 16.59,36.12 16.34,36.12 16.34,37 16.09,37 16.09,36.12 15.84,36.12 15.84,37 15.59,37 15.59,36.12 15.34,36.12 15.34,37 15.09,37 15.09,36.13 14.82,36.13 13.45,37.5 12.38,37.5 12.21,37.67 12.64,38.1 12.46,38.27 12.01,37.82 11.83,38 12.28,38.45 12.11,38.63 11.65,38.17 11.48,38.35 11.93,38.8 11.75,38.98 11.33,38.55 11.13,38.75 v1(10.4,38.75)
